# Altium PCB Copy of foxbms2-master.PcbDoc (part 3 of 11) (continued)
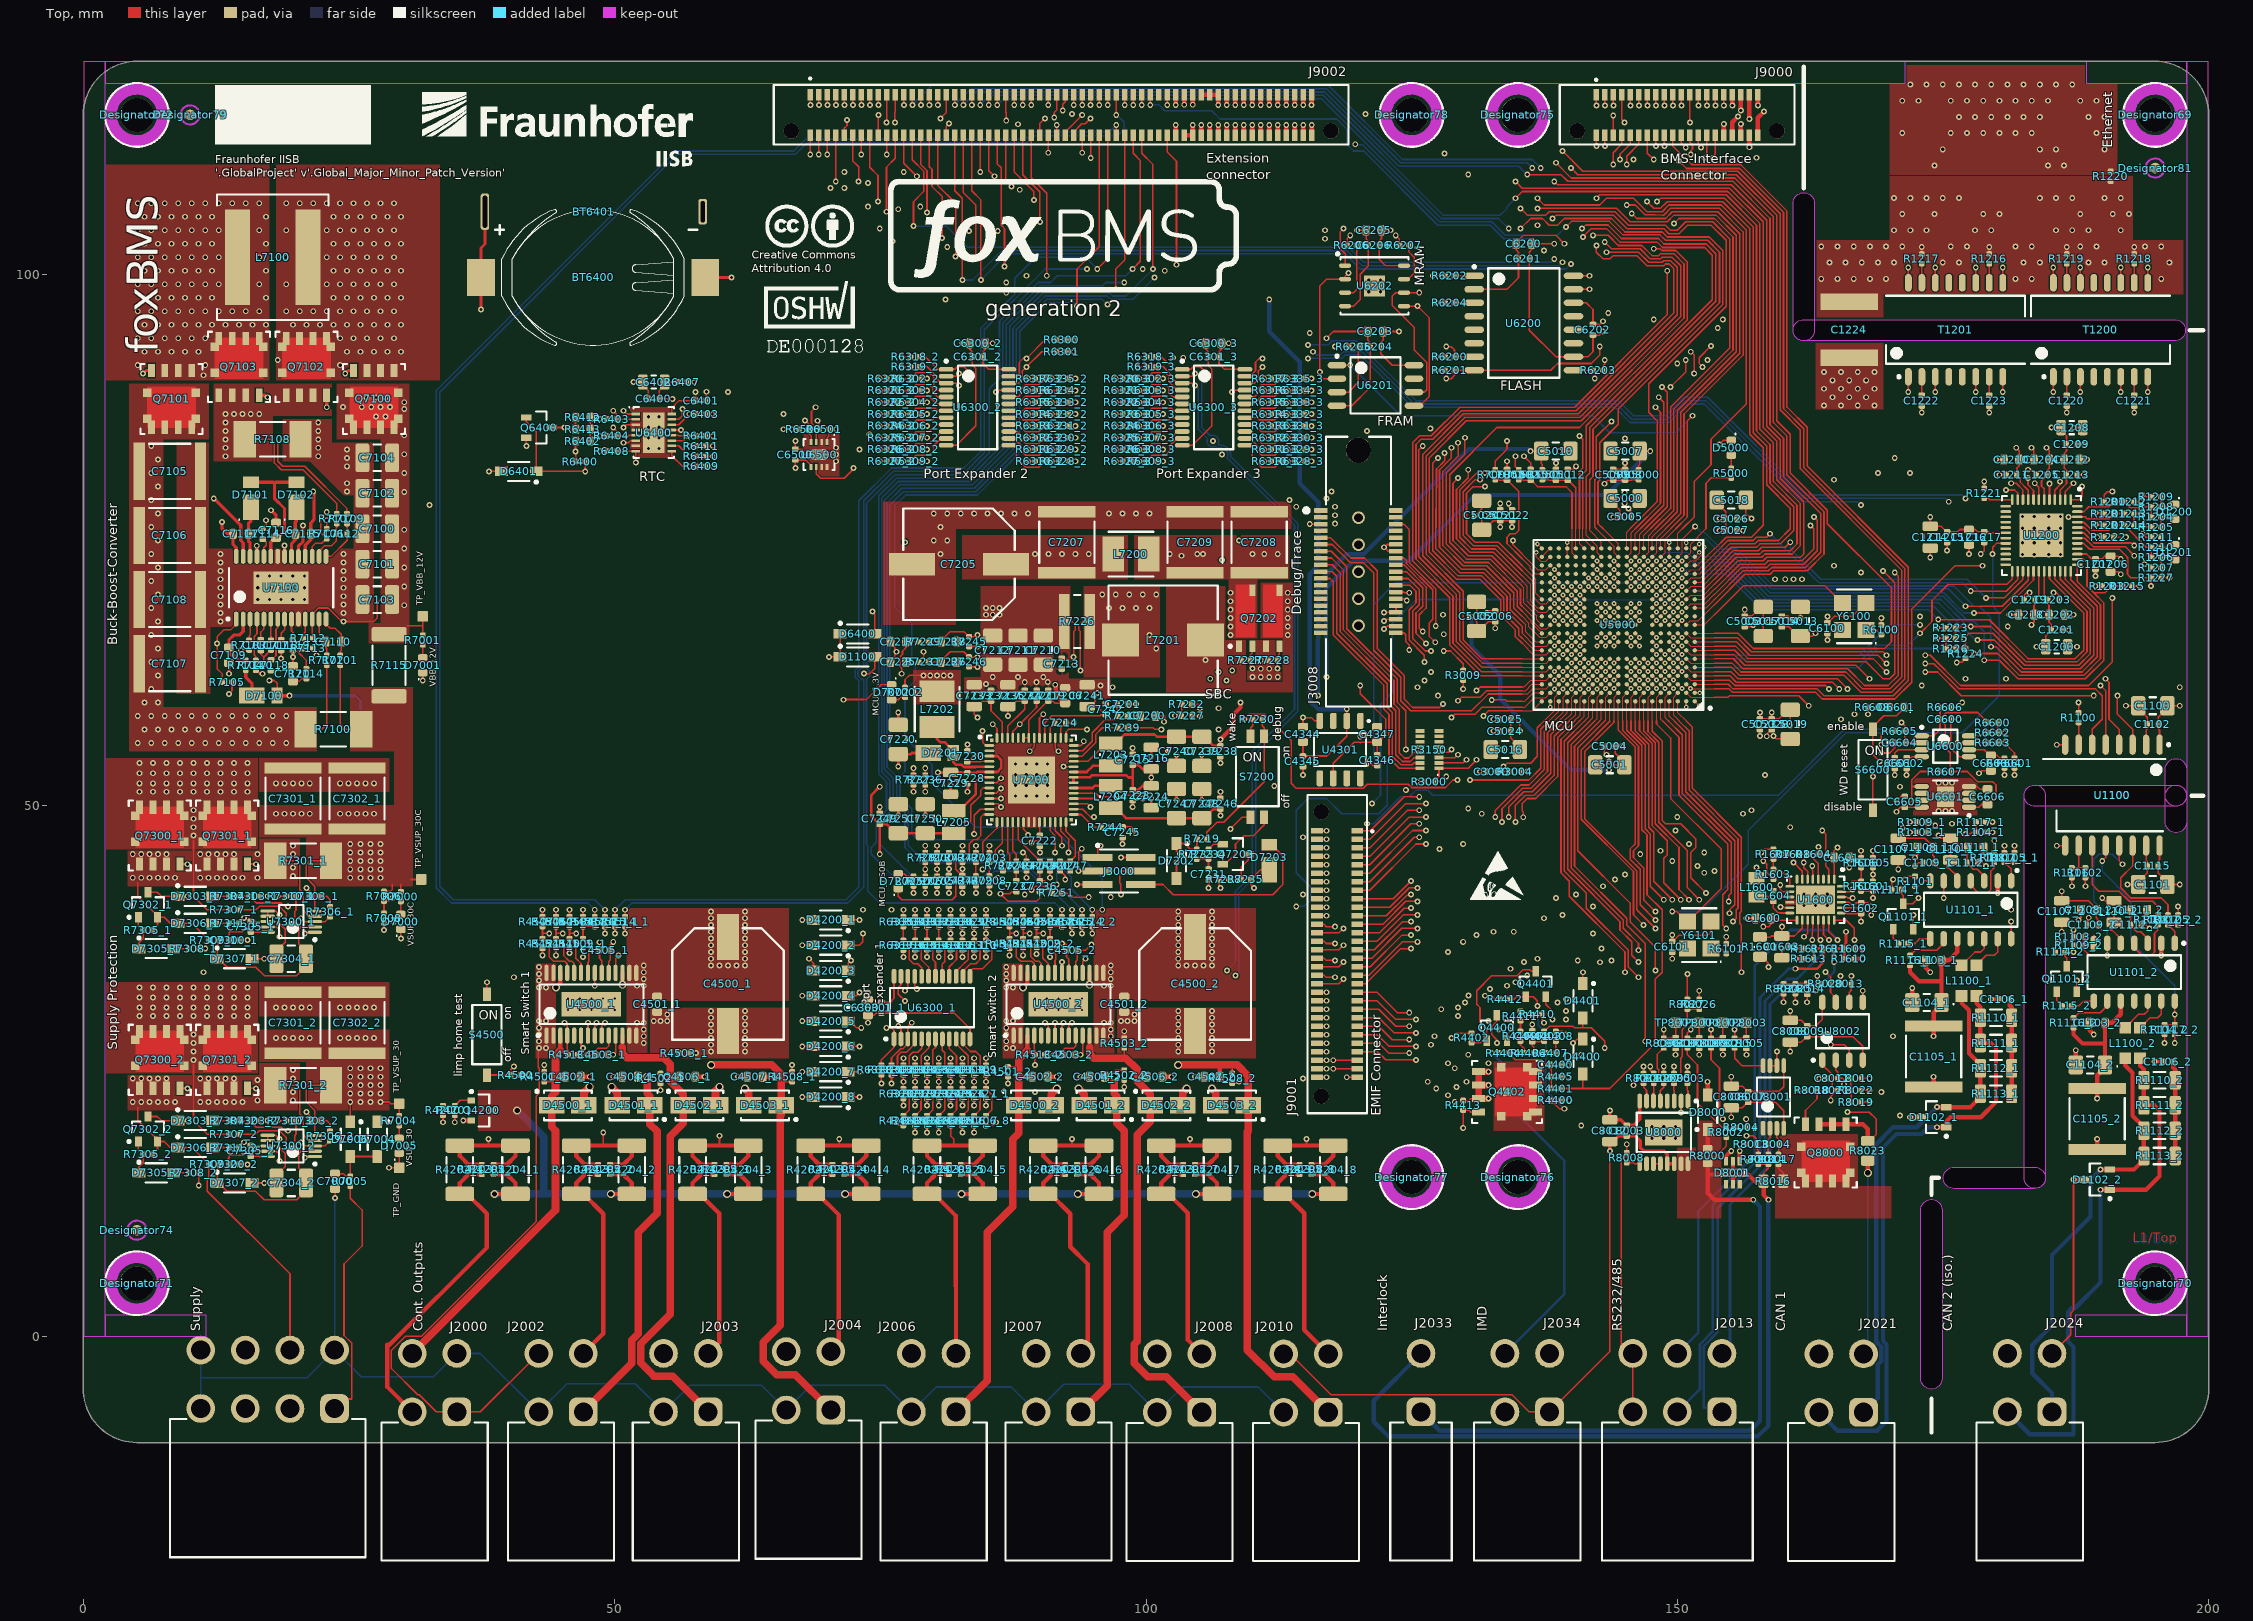
[diagram p0: Top view]
## Footprints (in the part's own frame and the unit in brackets; to place one, negate y for a bottom-side part, rotate by r counter-clockwise, add the part's x,y. Pads: shape width x height; smd on the part's side, far side on the other; paste and mask are expansions set on the pad) (continued)
  round 1.45 hole 1.45 unplated: ""(-13.4,-1.5) ""(13.4,-1.5)
  silkscreen extent -14.99,-2.8 14.99,3.4, body extent -15,-2.8 15,2.8, height 12.9
SAMTEC_ERM8-060-09.0-L-DV-K [mm] "Samtec 0.8mm Edge Rate Robust Highspeed-Terminal"
  rect 0.5x1.1 smd: 1(-23.6,1.9) 2(-23.6,-1.9) 3(-22.8,1.9) 4(-22.8,-1.9) 5(-22,1.9) 6(-22,-1.9) 7(-21.2,1.9) 8(-21.2,-1.9) 9(-20.4,1.9) 10(-20.4,-1.9) 11(-19.6,1.9) 12(-19.6,-1.9) 13(-18.8,1.9) 14(-18.8,-1.9) 15(-18,1.9) 16(-18,-1.9) 17(-17.2,1.9) 18(-17.2,-1.9) 19(-16.4,1.9) 20(-16.4,-1.9) 21(-15.6,1.9) 22(-15.6,-1.9) 23(-14.8,1.9) 24(-14.8,-1.9) 25(-14,1.9) 26(-14,-1.9) 27(-13.2,1.9) 28(-13.2,-1.9) 29(-12.4,1.9) 30(-12.4,-1.9) 31(-11.6,1.9) 32(-11.6,-1.9) 33(-10.8,1.9) 34(-10.8,-1.9) 35(-10,1.9) 36(-10,-1.9) 37(-9.2,1.9) 38(-9.2,-1.9) 39(-8.4,1.9) 40(-8.4,-1.9) 41(-7.6,1.9) 42(-7.6,-1.9) 43(-6.8,1.9) 44(-6.8,-1.9) 45(-6,1.9) 46(-6,-1.9) 47(-5.2,1.9) 48(-5.2,-1.9) 49(-4.4,1.9) 50(-4.4,-1.9) 51(-3.6,1.9) 52(-3.6,-1.9) 53(-2.8,1.9) 54(-2.8,-1.9) 55(-2,1.9) 56(-2,-1.9) 57(-1.2,1.9) 58(-1.2,-1.9) 59(-0.4,1.9) 60(-0.4,-1.9) 61(0.4,1.9) 62(0.4,-1.9) 63(1.2,1.9) 64(1.2,-1.9) 65(2,1.9) 66(2,-1.9) 67(2.8,1.9) 68(2.8,-1.9) 69(3.6,1.9) 70(3.6,-1.9) 71(4.4,1.9) 72(4.4,-1.9) 73(5.2,1.9) 74(5.2,-1.9) 75(6,1.9) 76(6,-1.9) 77(6.8,1.9) 78(6.8,-1.9) 79(7.6,1.9) 80(7.6,-1.9) 81(8.4,1.9) 82(8.4,-1.9) 83(9.2,1.9) 84(9.2,-1.9) 85(10,1.9) 86(10,-1.9) 87(10.8,1.9) 88(10.8,-1.9) 89(11.6,1.9) 90(11.6,-1.9) 91(12.4,1.9) 92(12.4,-1.9) 93(13.2,1.9) 94(13.2,-1.9) 95(14,1.9) 96(14,-1.9) 97(14.8,1.9) 98(14.8,-1.9) 99(15.6,1.9) 100(15.6,-1.9) 101(16.4,1.9) 102(16.4,-1.9) 103(17.2,1.9) 104(17.2,-1.9) 105(18,1.9) 106(18,-1.9) 107(18.8,1.9) 108(18.8,-1.9) 109(19.6,1.9) 110(19.6,-1.9) 111(20.4,1.9) 112(20.4,-1.9) 113(21.2,1.9) 114(21.2,-1.9) 115(22,1.9) 116(22,-1.9) 117(22.8,1.9) 118(22.8,-1.9) 119(23.6,1.9) 120(23.6,-1.9)
  round 1.45 hole 1.45 unplated: ""(-25.4,-1.5) ""(25.4,-1.5)
  silkscreen extent -27.05,-2.8 27.05,3.53, body extent -27,-2.8 27,2.8, height 12.9
SAMTEC_FTSH-103-01-L-DV [mm] "Samtec FTSH Board-To-Board Connector, 6pin, 1.27mm"
  rect 2.8x0.7 smd: 1(-2.035,1.27) 2(2.035,1.27) 3(-2.035,0) 4(2.035,0) 5(-2.035,-1.27) 6(2.035,-1.27)
  silkscreen extent -2.16,-2.03 1.78,2.54, body extent -2.92,-1.9 2.92,1.91, height 5.98
SHT3X [mm] "SON, 8-Leads, Body 2,50x2,50mm, Pitch 0,50mm, Thermal Pad 1,80x1,09mm, IPC Medium Density"
  rect 0.55x0.25 smd: 1(-1.17,0.75) 2(-1.17,0.25) 3(-1.17,-0.25) 4(-1.17,-0.75) 5(1.17,-0.75) 6(1.17,-0.25) 7(1.17,0.25) 8(1.17,0.75)
  oct 1x1.7 smd: 9(0,0)
  Top region: 0,-0.85 0.5,-0.85 0.5,0.85 0,0.85
  Top region: -0.5,-0.85 0,-0.85 0,0 -0.5,0
  silkscreen extent -1.9,-1.45 1.45,1.5, body extent -1.25,-1.25 1.25,1.25, height 0.9
SiT8924xx-3x [mm] "DFN, 4-Leads, Body 3,20x5,00mm, Pitch 2,39mm, IPC Medium Density"
  rect 1.5x1.6 smd: 1(-1.27,-1.1) 2(1.27,-1.1) 3(1.27,1.1) 4(-1.27,1.1)
  silkscreen extent -2.57,-2.07 2.53,1.63, body extent -2.52,-1.63 2.53,1.63, height 0.75
SM91074ALE [mm] "SOIC, 16-Leads, Body 12,80x6,90mm, Pitch 1,27mm, IPC Medium Density"
  oval 1.65x0.65 smd: 1(-4.425,4.445) 2(-4.425,3.175) 3(-4.425,1.905) 4(-4.425,0.635) 5(-4.425,-0.635) 6(-4.425,-1.905) 7(-4.425,-3.175) 8(-4.425,-4.445) 9(4.425,-4.445) 10(4.425,-3.175) 11(4.425,-1.905) 12(4.425,-0.635) 13(4.425,0.635) 14(4.425,1.905) 15(4.425,3.175) 16(4.425,4.445)
  silkscreen extent -4.55,-6.55 3.2,6.55, body extent -4.75,-6.55 4.75,6.55, height 5.9
SMTU_1225-1-LF [mm] "Renata SMTU 1225-1-LF"
  rect 2.6x3.5 smd: +(-10.55,0) -(10.55,0)
  silkscreen extent -9.2,-6.4 9.8,6.4, body extent -11.5,-6.4 11.5,6.4, height 4.8
SOD-123_CASE-425-04-ISSUE-G [mm] "SOD-123 CASE 425-04 ISSUE G"
  rect 1.22x0.91 smd: 1(-1.635,0) 2(1.635,0)
  silkscreen extent -1.76,-0.9 1,1.13, body extent -1.86,-0.9 1.86,0.9, height 1.35
SOIC127P600X175-8N [mm] "SOIC, 8-Leads, Body 4,90x3,90mm, Pitch 1,27mm, IPC Medium Density"
  rrect50% 1.5x0.6 smd: 1(-2.7,1.905) 2(-2.7,0.635) 3(-2.7,-0.635) 4(-2.7,-1.905) 5(2.7,-1.905) 6(2.7,-0.635) 7(2.7,0.635) 8(2.7,1.905)
  silkscreen extent -2.8,-2.45 1.55,2.8, body extent -3,-2.45 3,2.45, height 1.75
SOT95P237X110-3N [mm] "SOT23, 3-Leads, Body 2,92x2,37mm, Pitch 0,95mm, IPC Medium Density"
  rect 1x0.6 smd: D(1.2,0) G(-1.2,0.95) S(-1.2,-0.95)
  silkscreen extent -0.3,-1.5 0.7,1.5, body extent -1.32,-1.52 1.32,1.52, height 1.1
SOT95P237X112-3N [mm] "SOT23, 3-Leads, Body 2,92x2,37mm, Pitch 0,95mm, IPC Medium Density"
  rect 0.724x0.559 smd: D(0.984,0) G(-0.984,0.95) S(-0.984,-0.95)
  silkscreen extent -1.11,-1.5 0.7,1.9, body extent -1.32,-1.52 1.32,1.52, height 1.12
ST_PowerFLAT_5x6_WF_type_C#1 [mm] "SOTFL, 6-Leads, Body 5,20x6,40mm, Pitch 1,27mm, IPC Medium Density"
  rect 0.8x0.8 smd: D(-2.3,1.89) D(-2.3,-0.56) D(0,0) D(2.3,1.89) D(2.3,-0.56)
  rect 0.65x1.25 smd: D(-1.905,2.675) D(-0.635,2.675) D(0.635,2.675) D(1.905,2.675) G(1.905,-2.675) S(-1.905,-2.675) S(-0.635,-2.675) S(0.635,-2.675)
  Top region: -2.3,-1.15 2.3,-1.15 2.3,2.75 -2.3,2.75
  silkscreen extent -2.92,-3.3 2.92,3.3, body extent -2.7,-3.2 2.7,3.2, height 1
ST_PowerFLAT_5x6_WF_type_C#2 [mm] "SOTFL, 6-Leads, Body 5,20x6,40mm, Pitch 1,27mm, IPC Medium Density"
  rect 0.8x0.8 smd: D(-2.3,1.89) D(-2.3,-0.56) D(2.3,1.89) D(2.3,-0.56)
  rect 0.65x1.25 smd: D(-1.905,2.675) D(-0.635,2.675) D(0.635,2.675) D(1.905,2.675) G(1.905,-2.675) S(-1.905,-2.675) S(-0.635,-2.675) S(0.635,-2.675)
  Top region: -2.3,-1.15 2.3,-1.15 2.3,2.75 -2.3,2.75
  silkscreen extent -2.92,-3.3 2.92,3.3, body extent -2.7,-3.2 2.7,3.2, height 1
TDK_TFM252012 [mm] "Chip Inductor, 2-Leads, Body 2,50x2,00mm, IPC Medium Density"
  rect 1.29x2.22 smd: 1(-1.055,0) 2(1.055,0)
  silkscreen extent -0.05,-1.01 0.05,1.01, body extent -1.35,-1.1 1.35,1.1, height 1.2
TE_2-5767004-2 [mm] "Board to Board & Mezzanine Connectors 38P RECEPTACLE"
  rrect10% 0.43x1.27 smd: 1(5.76,3.53) 2(5.76,-3.53) 3(5.12,3.53) 4(5.12,-3.53) 5(4.48,3.53) 6(4.48,-3.53) 7(3.84,3.53) 8(3.84,-3.53) 9(3.2,3.53) 10(3.2,-3.53) 11(2.56,3.53) 12(2.56,-3.53) 13(1.92,3.53) 14(1.92,-3.53) 15(1.28,3.53) 16(1.28,-3.53) 17(0.64,3.53) 18(0.64,-3.53) 19(0,3.53) 20(0,-3.53) 21(-0.64,3.53) 22(-0.64,-3.53) 23(-1.28,3.53) 24(-1.28,-3.53) 25(-1.92,3.53) 26(-1.92,-3.53) 27(-2.56,3.53) 28(-2.56,-3.53) 29(-3.2,3.53) 30(-3.2,-3.53) 31(-3.84,3.53) 32(-3.84,-3.53) 33(-4.48,3.53) 34(-4.48,-3.53) 35(-5.12,3.53) 36(-5.12,-3.53) 37(-5.76,3.53) 38(-5.76,-3.53)
  round 1.2 hole 0.81: G(-5.08,0) G(-2.54,0) G(0,0) G(2.54,0) G(5.08,0)
  round 2.39 hole 2.39 unplated: Orientation(11.43,0)
  silkscreen extent -12.7,-3.05 12.7,5.1, body extent -12.7,-4.36 12.7,4.36, height 6.1
Testpoint_S1 [mm] "Testpunkt, quardratisch 1mm"
  rrect20% 1x1 smd paste-0.5: 1(0,0)
TI_D0008A [mm] "SOIC, 8-Leads, Body 4,91x3,90mm, Pitch 1,27mm, IPC Medium Density"
  oval 1.45x0.6 smd: 1(-2.725,1.905) 2(-2.725,0.635) 3(-2.725,-0.635) 4(-2.725,-1.905) 5(2.725,-1.905) 6(2.725,-0.635) 7(2.725,0.635) 8(2.725,1.905)
  silkscreen extent -2.85,-2.5 1.6,2.88, body extent -3,-2.5 3,2.5, height 1.75
TI_D0014A-C01_SOIC-14 [mm] "SOIC, 14-Leads, Body 8,65x3,90mm, Pitch 1,27mm, IPC Medium Density"
  oval 1.45x0.6 smd: 1(-2.725,3.81) 2(-2.725,2.54) 3(-2.725,1.27) 4(-2.725,0) 5(-2.725,-1.27) 6(-2.725,-2.54) 7(-2.725,-3.81) 8(2.725,-3.81) 9(2.725,-2.54) 10(2.725,-1.27) 11(2.725,0) 12(2.725,1.27) 13(2.725,2.54) 14(2.725,3.81)
  silkscreen extent -3.83,-4.4 1.6,4.49, body extent -3,-4.4 3,4.4, height 1.75
TI_DWE0016A [mm] "SOIC, 16-Leads, Body 10,30x7,50mm, Pitch 1,27mm, IPC Medium Density"
  oval 1.9x0.6 smd: 1(-4.75,4.445) 2(-4.75,3.175) 3(-4.75,1.905) 4(-4.75,0.635) 5(-4.75,-0.635) 6(-4.75,-1.905) 7(-4.75,-3.175) 8(-4.75,-4.445) 9(4.75,-4.445) 10(4.75,-3.175) 11(4.75,-1.905) 12(4.75,-0.635) 13(4.75,0.635) 14(4.75,1.905) 15(4.75,3.175) 16(4.75,4.445)
  silkscreen extent -4.87,-5.25 3.4,5.42, body extent -5.15,-5.25 5.15,5.25, height 2.65
TI_PW0008A [mm] "TSOP, 8-Leads, Body 3,00x4,40mm, Pitch 0,65mm, IPC Medium Density"
  oval 1.4x0.45 smd: 1(-2.95,0.975) 2(-2.95,0.325) 3(-2.95,-0.325) 4(-2.95,-0.975) 5(2.95,-0.975) 6(2.95,-0.325) 7(2.95,0.325) 8(2.95,0.975)
  silkscreen extent -3.07,-1.55 1.85,1.87, body extent -3.2,-1.55 3.2,1.55, height 1.2
TI_PWP0016J [mm] "TSOP, 16-Leads, Body 5,00x4,40mm, Pitch 0,65mm, Thermal Pad 3,55x2,46mm, IPC Medium Density"
  oval 1.4x0.45 smd: 1(-2.95,2.275) 2(-2.95,1.625) 3(-2.95,0.975) 4(-2.95,0.325) 5(-2.95,-0.325) 6(-2.95,-0.975) 7(-2.95,-1.625) 8(-2.95,-2.275) 9(2.95,-2.275) 10(2.95,-1.625) 11(2.95,-0.975) 12(2.95,-0.325) 13(2.95,0.325) 14(2.95,0.975) 15(2.95,1.625) 16(2.95,2.275)
  rect 2.46x3.55 smd: 17(0,0)
  silkscreen extent -3.07,-2.55 1.85,3.17, body extent -3.2,-2.55 3.2,2.55, height 1.2
TPS7A16A-Q1 [mm] "TSOP, 8-Leads, Body 3,00x3,00mm, Pitch 0,65mm, Thermal Pad 1,92x1,60mm, IPC Medium Density"
  oval 1.35x0.5 smd: 1(-2.225,0.975) 2(-2.225,0.325) 3(-2.225,-0.325) 4(-2.225,-0.975) 5(2.225,-0.975) 6(2.225,-0.325) 7(2.225,0.325) 8(2.225,0.975)
  rect 1.6x1.92 smd: 9(0,0)
  silkscreen extent -2.35,-1.55 1.15,1.9, body extent -2.45,-1.55 2.45,1.55, height 1.1
WE_416131160801 [mm] "SMD Dip Switch, Small Compact, Raised Actuator, 1pin"
  rect 0.76x1.27 smd: 1(0,-3.81) 2(0,3.81)
  silkscreen extent -1.37,-2.79 1.37,2.79, body extent -1.22,-4.32 1.22,4.32, height 2.65
WE_416131160802 [mm] "SMD Dip Switch, Small Compact, Raised Actuator, 2pin"
  rect 0.76x1.27 smd: 1(-0.635,-3.81) 2(0.635,-3.81) 3(0.635,3.81) 4(-0.635,3.81)
  silkscreen extent -2,-2.79 2,2.79, body extent -1.85,-4.22 1.86,4.22, height 2.7

## Part data
BT6400: "SMTU 1225-1-LF, Battery Holder 1225", Manufacturer=Renata, Operating Temperature="- / -40°C - +100°C", Supplier Part Number 1=1216353, Automotive Qualified=False, ComponentLink1Description=Datasheet, ComponentLink1URL=http://www.farnell.com/datasheets/1766152.pdf, Part Name=SMTU_1225-1-LF, Part Number=SMTU_1225-1-LF, Supplier 1=Farnell
BT6401: "Coin Cell Battery 3V 1000mAH HI TEMP", Manufacturer=Panasonic, Operating Temperature="−40°C - +125°C", Supplier Part Number 1=P029-ND, Automotive Qualified=False, ComponentLink1Description=Datasheet, ComponentLink1URL=https://www.mouser.de/datasheet/2/315/panasonic-lithium-coin-hightemp-br2477a-datasheet-911159.pdf, Part Name=BR2477A/HBN, Part Number=BR2477A/HBN, Supplier 1=Digikey, Supplier 2=Mouser, Supplier Part Number 2=658-BR-2477A-HBN
C1100 C1101 C5000 C5001 C5002 C5007 C5010 C5013 C5016 C5017 C5018 C5019 C5020 C7210 C7211 C7212 C7220 C7239 C7240 C7247 C7248 C7250 C7251: library part gen_C_ceramic_22u_10V_X7R_1206, "MLCC", Capacitance=22u, Case EIA=1206, Case Metric=3216, Dielectric=X7R, Rated Voltage=10V, Supplier Part Number 1=587-4243-1-ND, Automotive Qualified=True, Part Number=gen_C_ceramic_22u_10V_X7R_1206, Supplier 1=Digikey
C1102 C1109_1 C1109_2 C1112_1 C1112_2 C1115 C1203 C1205 C1207 C1211 C1213 C1217 C1219 C1220 C1221 C1222 C1223 C1602 C3000 C4345 C4346 C4503_1 C4503_2 C4505_1 C4505_2 C5003 C5004 C5005 C5006 C5008 C5011 C5014 C5015 C5021 C5022 C5023 C5024 C5025 C5026 C5027 C5028 C6100 C6101 C6201 C6202 C6204 C6206 C6301_1 C6301_2 C6301_3 C6400 C6401 C6403 C6500 C6600 C6605 C7113 C7114 C7213 C7215 C7221 C7222 C7223 C7227 C7228 C7230 C7231 C7232 C7234 C7238 C7242 C7246 C7249 C7300_1 C7300_2 C8003 C8007 C8009: library part gen_C_ceramic_100n_50V_X7R_0402, "MLCC", Capacitance=100n, Case EIA=0402, Case Metric=1005, Dielectric=X7R, PnP Package=0402C, PnP Value=100nF/50V/X7R, Rated Voltage=50V, Supplier Part Number 1=2210822, AEC-Q Norm=AEC-Q200, Automotive Qualified=True, ECCN=EAR99, Part Number=gen_C_ceramic_100n_50V_X7R_0402, PnP equipped=x, Supplier 1=Farnell
C1103_1 C1103_2 C4501_1 C4501_2 C7000 C7109 C7111 C7115 C7206 C7218 C7226: library part gen_C_ceramic_100n_100V_X7R_0603, "MLCC", Capacitance=100n, Case EIA=0603, Case Metric=1608, Dielectric=X7R, PnP Package=0603C, Rated Voltage=100V, Supplier Part Number 1=490-13420-1-ND, Automotive Qualified=True, Part Number=gen_C_ceramic_100n_100V_X7R_0603, Supplier 1=Digikey, Supplier 2=Mouser, Supplier Part Number 2=81-GCJ188R72A104KA1D
C1104_1 C1104_2: library part gen_C_ceramic_1u_100V_X7R_1206, "MLCC", Capacitance=1u, Case EIA=1206, Case Metric=3216, Dielectric=X7R, Rated Voltage=100V, Supplier Part Number 1=1833855, Automotive Qualified=True, AVT Set=x, Part Number=gen_C_ceramic_1u_100V_X7R_1206, Supplier 1=Farnell
C1105_1 C1105_2 C7105 C7106 C7107 C7108 C7207 C7208 C7209 C7301_1 C7301_2 C7302_1 C7302_2: library part gen_C_ceramic_10u_100V_X7S_2220, "MLCC", Capacitance=10u, Case EIA=2220, Case Metric=5750, Dielectric=X7S, Rated Voltage=100V, Supplier Part Number 1=445-13152-1-ND, AEC-Q Grade="Grade 0", AEC-Q Norm=AEC-Q200, Automotive Qualified=True, ECCN=EAR99, Part Number=gen_C_ceramic_10u_100V_X7S_2220, Supplier 1=Digikey
C1106_1 C1106_2: library part gen_C_ceramic_4n7_50V_X7R_0402, "MLCC", Capacitance=4n7, Case EIA=0402, Case Metric=1005, Dielectric=X7R, PnP Package=0402C, Rated Voltage=50V, Supplier Part Number 1=490-14739-1-ND, AEC-Q Grade="Grade 1", AEC-Q Norm=AEC-Q200, Automotive Qualified=True, ECCN=EAR99, Part Number=gen_C_ceramic_4n7_50V_X7R_0402, Supplier 1=Digikey
C1107_1 C1107_2 C1110_1 C1110_2 C1200 C1208 C1214 C6402 C7216 C7224 C7229 C7233 C7235 C7241 C8006 C8008 C8012: library part gen_C_ceramic_10u_16V_X7R_0805, "MLCC", Capacitance=10u, Case EIA=0805, Case Metric=2012, Dielectric=X7S, Rated Voltage=16V, Supplier Part Number 1=445-16110-1-ND, AEC-Q Grade="Grade 1", AEC-Q Norm=AEC-Q200, Automotive Qualified=True, ECCN=EAR99, Part Number=gen_C_ceramic_10u_16V_X7R_0805, Supplier 1=Digikey
C1108_1 C1108_2 C1111_1 C1111_2 C1202 C1204 C1206 C1210 C1212 C1216 C1218 C1600 C1601 C4344 C4347 C6200 C6203 C6205 C6300_1 C6300_2 C6300_3 C6606 C7110 C7116: library part gen_C_ceramic_1u_50V_X7R_0603, "MLCC", Capacitance=1u, Case EIA=0603, Case Metric=1608, Dielectric=X7R, Operating Temperature="-55°C - +125°C", PnP Package=0603C, Rated Voltage=50V, Supplier Part Number 1=2779055, Tolerance="± 10%", Automotive Qualified=False, Part Number=gen_C_ceramic_1u_50V_X7R_0603, Supplier 1=Farnell
C1201 C1209 C1215 C5009 C5012 C7001 C7244 C7245: library part gen_C_ceramic_10n_25V_X7R_0402, "MLCC", Capacitance=10n, Case EIA=0402, Case Metric=1005, Dielectric=X7R, PnP Package=0402C, PnP Value=10nF/25V/X7R, Rated Voltage=25V, Supplier Part Number 1=2210793, Automotive Qualified=True, Part Number=gen_C_ceramic_10n_25V_X7R_0402, PnP equipped=x, Supplier 1=Farnell
C1224: library part gen_C_ceramic_1n_3000V_X7R_2220, "MLCC", Capacitance=1n, Case EIA=2220, Case Metric=5750, Dielectric=X7R, Rated Voltage=3000V, Supplier Part Number 1=399-16803-1-ND, AEC-Q Grade="Grade 0", AEC-Q Norm=AEC-Q200, Automotive Qualified=True, ECCN=EAR99, Part Number=gen_C_ceramic_1n_3000V_X7R_2220, Supplier 1=Digikey
C1603: library part gen_C_ceramic_4u7_25V_X7R_0805, "MLCC", Capacitance=4u7, Case EIA=0805, Case Metric=2012, Dielectric=X7R, Rated Voltage=25V, Supplier Part Number 1=2346968, AEC-Q Norm=AEC-Q200, Automotive Qualified=True, AVT Set=x, ECCN=EAR99, Part Number=gen_C_ceramic_4u7_25V_X7R_0805, Supplier 1=Farnell
C1604 C7305_1 C7305_2: library part gen_C_ceramic_220n_35V_X7R_0402, "MLCC", Capacitance=220n, Case EIA=0402, Case Metric=1005, Dielectric=X7R, PnP Package=0402C, Rated Voltage=35V, Supplier Part Number 1=445-173767-1-ND, AEC-Q Grade="Grade 1", AEC-Q Norm=AEC-Q200, Automotive Qualified=True, ECCN=EAR99, Part Number=gen_C_ceramic_220n_35V_X7R_0402, Supplier 1=Digikey
C4400 C4401 C7118 C7119 C7201: library part gen_C_ceramic_150p_50V_C0G_0402, "MLCC", Capacitance=150p, Case EIA=0402, Case Metric=1005, Dielectric=C0G, PnP Package=0402C, Rated Voltage=50V, Supplier Part Number 1=490-4926-1-ND, Automotive Qualified=True, Part Number=gen_C_ceramic_150p_50V_C0G_0402, Supplier 1=Digikey
C4500_1 C4500_2: library part EEE-TG1J101UP, "SMD Electrolytic Capacitor", Capacitance=100µF, Operating Temperature="-40°C to 125°C", Rated Voltage=63V, Supplier Part Number 1=PCE4086CT-ND, Tolerance=+-20%, Automotive Qualified=True, ComponentLink1Description=Datasheet, ComponentLink1URL=https://industrial.panasonic.com/cdbs/www-data/pdf/RDE0000/ABA0000C1187.pdf, Diameter=10mm, Heigth=10.5mm, Part Number=EEE-TG1J101UP, Supplier 1=Digikey
C4502_1 C4502_2 C4504_1 C4504_2 C4506_1 C4506_2 C4507_1 C4507_2: library part gen_C_ceramic_10n_100V_X7R_0603, "MLCC", Capacitance=10n, Case EIA=0603, Case Metric=1608, Dielectric=X7R, PnP Package=0603C, PnP Value=10nF/100V/X7R, Rated Voltage=100V, Supplier Part Number 1=1301715, AEC-Q Norm=AEC-Q200, Automotive Qualified=True, ECCN=EAR99, Part Number=gen_C_ceramic_10n_100V_X7R_0603, Supplier 1=Farnell, Supplier 2=Farnell, Supplier 3=Farnell, Supplier Part Number 2=2821192, Supplier Part Number 3=2210878
C6601 C7117 C7214 C7243 C7303_1 C7303_2: library part gen_C_ceramic_47n_50V_X7R_0402, "MLCC", Capacitance=47n, Case EIA=0402, Case Metric=1005, Dielectric=X7R, PnP Package=0402C, Rated Voltage=50V, Supplier Part Number 1=2210827, Automotive Qualified=True, Part Number=gen_C_ceramic_47n_50V_X7R_0402, Supplier 1=Farnell
C6602 C6604 C8000 C8001 C8002 C8004 C8005 C8010 C8011 C8013 C8014: library part gen_C_ceramic_22n_50V_X7R_0402, "MLCC", Capacitance=22n, Case EIA=0402, Case Metric=1005, Dielectric=X7R, PnP Package=0402C, Rated Voltage=50V, Supplier Part Number 1=490-4763-1-ND, AEC-Q Grade="Grade 1", AEC-Q Norm=AEC-Q200, Automotive Qualified=True, ECCN=EAR99, Part Number=gen_C_ceramic_22n_50V_X7R_0402, Supplier 1=Digikey
C6603: library part gen_C_ceramic_27p_50V_NP0_0603, "MLCC", Capacitance=27p, Case EIA=0603, Case Metric=1608, Dielectric=NP0, PnP Package=0603C, Rated Voltage=50V, Supplier Part Number 1=2219430, Automotive Qualified=True, Part Number=gen_C_ceramic_27p_50V_NP0_0603, Supplier 1=Farnell
C7100 C7101 C7102 C7103 C7104: library part gen_C_ceramic_22u_25V_X7R_1210, "MLCC", Capacitance=22u, Case EIA=1210, Case Metric=3225, Dielectric=X7R, Rated Voltage=25V, Supplier Part Number 1=445-180363-1-ND, Automotive Qualified=True, Part Number=gen_C_ceramic_22u_25V_X7R_1210, Supplier 1=Digikey
C7112: library part gen_C_ceramic_47p_50V_C0G_0402, "MLCC", Capacitance=47p, Case EIA=0402, Case Metric=1005, Dielectric=C0G, PnP Package=0402C, Rated Voltage=50V, Supplier Part Number 1=490-10670-1-ND, Automotive Qualified=True, Part Number=gen_C_ceramic_47p_50V_C0G_0402, Supplier 1=Digikey
C7120: library part gen_C_ceramic_5n6_50V_C0G_0603, "MLCC", Capacitance=5n6, Case EIA=0603, Case Metric=1608, Dielectric=C0G, PnP Package=0603C, Rated Voltage=50V, Supplier Part Number 1=2210857, Automotive Qualified=True, Part Number=gen_C_ceramic_5n6_50V_C0G_0603, Supplier 1=Farnell
C7200: library part gen_C_ceramic_8n2_50V_C0G_0603, "MLCC", Capacitance=8n2, Case EIA=0603, Case Metric=1608, Dielectric=C0G, PnP Package=0603C, Rated Voltage=50V, Supplier Part Number 1=445-8114-1-ND, Automotive Qualified=True, Part Number=gen_C_ceramic_8n2_50V_C0G_0603, Supplier 1=Digikey
C7205: library part EEE-TG2A330P, "SMD Electrolytic Capacitor", Capacitance=33µF, Operating Temperature="-40°C to 125°C", Rated Voltage=100V, Supplier Part Number 1=PCE4126CT-ND, Tolerance=+-20%, Automotive Qualified=True, ComponentLink1Description=Datasheet, ComponentLink1URL=https://industrial.panasonic.com/cdbs/www-data/pdf/RDE0000/ABA0000C1187.pdf, Diameter=10mm, Heigth=10.5mm, Part Number=EEE-TG2A330P, Supplier 1=Digikey
C7217 C7225: library part gen_C_ceramic_47n_100V_X7R_0603, "MLCC", Capacitance=47n, Case EIA=0603, Case Metric=1608, Dielectric=X7R, PnP Package=0603C, Rated Voltage=100V, Supplier Part Number 1=2478249, Automotive Qualified=True, Part Number=gen_C_ceramic_47n_100V_X7R_0603, Supplier 1=Farnell, Supplier 2=Farnell, Supplier 3=Farnell, Supplier Part Number 2=2708699, Supplier Part Number 3=2905110
C7219 C7236 C7237: library part gen_C_ceramic_1n_100V_X7R_0402, "MLCC", Capacitance=1n, Case EIA=0402, Case Metric=1005, Dielectric=X7R, PnP Package=0402C, Rated Voltage=100V, Supplier Part Number 1=490-4764-1-ND, Automotive Qualified=True, Part Number=gen_C_ceramic_1n_100V_X7R_0402, Supplier 1=Digikey
C7304_1 C7304_2: library part gen_C_ceramic_4u7_100V_X7S_1210, "MLCC", Capacitance=4u7, Case EIA=1210, Case Metric=3225, Dielectric=X7S, PnP Package=1210C, Rated Voltage=100V, Supplier Part Number 1=2211140, Automotive Qualified=True, Part Number=gen_C_ceramic_4u7_100V_X7S_1210, Supplier 1=Farnell, Supplier 2=Farnell, Supplier Part Number 2=2464634
D1100 D4400 D4401 D6400 D7004 D7006 D7303_1 D7303_2 D7305_1 D7305_2 D8000: "Diode", Breakdown Voltage=100V, Continuous Forward Current=300mA, Manufacturer="Diodes Inc.", Operating Temperature="-65°C - +150°C", PnP Package=SOD123, Supplier Part Number 1=1N4148WQ-7-FDICT-ND, Automotive Qualified=True, ComponentLink1Description=Datasheet, ComponentLink1URL=https://www.diodes.com/assets/Datasheets/ds30086.pdf, Part Name=1N4148WQ-7-F, Part Number=1N4148WQ-7-F, Supplier 1=Digikey
  D1100 D6400: Supplier 2=Farnell, Supplier 3=Mouser, Supplier Part Number 2=3127171, Supplier Part Number 3=621-1N4148WQ-7-F
D1102_1 D1102_2: "CAN ESD Protection Diode Array", Manufacturer=Littelfuse, Operating Temperature="-40°C - +125°C", Supplier Part Number 1=F6707CT-ND, Automotive Qualified=True, ComponentLink1Description=Datasheet, ComponentLink1URL=https://www.littelfuse.com/~/media/electronics/datasheets/tvs_diode_arrays/littelfuse_tvs_diode_array_sm24canb_datasheet.pdf.pdf, Part Name=SM24CANB-02HTG, Part Number=SM24CANB-02HTG, Supplier 1=Digikey
D1200 D1201 D5000 D6601 D7000 D7001 D7002 D7005 D7200: library part LED_0603_pure_green_AECQ, "TLMP1100-GS08", Breakdown Voltage=5V, Continuous Forward Current=20mA, Forward Voltage @ 20mA=2.1V, Manufacturer=Vishay, Operating Temperature="-40°C - 100°C", PnP Package=LED_0603, Supplier Part Number 1=1328306, Automotive Qualified=True, Color="pure green", ComponentLink1Description=Datasheet, ComponentLink1URL=http://www.farnell.com/datasheets/2049164.pdf, Part Number=LED_0603_pure_green_AECQ, Supplier 1=Farnell, Supplier 2=Digikey, Supplier Part Number 2=751-1176-1-ND
D4200_1 D4200_2 D4200_3 D4200_4 D4200_5 D4200_6 D4200_7 D4200_8 D6401 D7202: "Zener Diode", Breakdown Voltage=4.7V, Manufacturer="ON Semiconductor", Operating Temperature="-55°C - +150°C", PnP Package=SOD123, Supplier Part Number 1=SZMMSZ4688T1GOSCT-ND, Automotive Qualified=True, ComponentLink1Description=Datasheet, ComponentLink1URL=https://www.onsemi.com/pub/Collateral/MMSZ4678T1-D.PDF, Part Name=SZMMSZ4688T1G, Part Number=SZMMSZ4688T1G, Supplier 1=Digikey, Supplier 2=Farnell, Supplier 3=Mouser, Supplier Part Number 2=2774579, Supplier Part Number 3=863-SZMMSZ4688T1G
D4500_1 D4500_2 D4501_1 D4501_2 D4502_1 D4502_2 D4503_1 D4503_2: "TVS-Diode DO-214AC (SMA)", Breakdown Voltage=60V, Manufacturer=Bourns, Operating Temperature="-55°C - +150°C", Supplier Part Number 1=652-SMA6J60A-Q, AEC-Q Grade="Grade 0", AEC-Q Norm=AEC-Q101, Automotive Qualified=True, ComponentLink1Description=Datasheet, ComponentLink1URL=https://www.mouser.de/datasheet/2/54/sma6j_q-1919913.pdf, ECCN=EAR99, Part Name=SMA6J60A-Q, Part Number=SMA6J60A-Q, Supplier 1=Mouser
D7100 D7101 D7102 D7203: "Schottky Diode", Breakdown Voltage=100V, Continuous Forward Current=1A, Manufacturer="Diodes Inc.", Operating Temperature="−55°C - +175°C", PnP Package=POWERDI123, Supplier Part Number 1=621-DFLS1-100Q-7, Automotive Qualified=True, ComponentLink1Description=Datasheet, ComponentLink1URL=https://www.diodes.com/assets/Datasheets/ds30497.pdf, Part Name=DFLS1100Q-7, Part Number=DFLS1100Q-7, Supplier 1=Mouser, Supplier 2=Digikey, Supplier 3=Farnell, Supplier Part Number 2=DFLS1100Q-7DICT-ND, Supplier Part Number 3=3127293
D7201: "Schottky Diode", Breakdown Voltage=30V, Continuous Forward Current=1A, Manufacturer="Diodes Inc.", Operating Temperature="−40°C - +125°C", Supplier Part Number 1=DFLS130LQ-7DICT-ND, Automotive Qualified=True, ComponentLink1Description=Datasheet, ComponentLink1URL=https://www.diodes.com/assets/Datasheets/DFLS130LQ.pdf, Part Name=DFLS130LQ-7, Part Number=DFLS130LQ-7, Supplier 1=Digikey
D7306_1 D7306_2: "Zener Diode", Breakdown Voltage=8.2V, Manufacturer="ON Semiconductor", Operating Temperature="-55°C - +150°C", PnP Package=SOD123, Supplier Part Number 1=SZMMSZ5237BT1GOSCT-ND, Automotive Qualified=True, ComponentLink1Description=Datasheet, ComponentLink1URL=https://www.onsemi.com/pub/Collateral/MMSZ4678T1-D.PDF, Part Name=SZMMSZ5237BT1G, Part Number=SZMMSZ5237BT1G, Supplier 1=Digikey, Supplier 2=Mouser, Supplier Part Number 2=863-SZMMSZ5237BT1G
D7307_1 D7307_2: "Zener Diode", Breakdown Voltage=47V, Manufacturer="ON Semiconductor", Operating Temperature="-55°C - +150°C", PnP Package=SOD123, Supplier Part Number 1=SZMMSZ5261BT1GOSCT-ND, Automotive Qualified=True, ComponentLink1Description=Datasheet, ComponentLink1URL=https://www.mouser.de/datasheet/2/308/MMSZ5221BT1-D-85810.pdf, Part Name=SZMMSZ5261BT1G, Part Number=SZMMSZ5261BT1G, Supplier 1=Digikey, Supplier 2=Mouser, Supplier Part Number 2=863-SZMMSZ5261BT1G
D8001: "TVS diode array", Breakdown Voltage=70V, Manufacturer="ON Semiconductor", Operating Temperature="-55°C - +150°C", Supplier Part Number 1=863-SZNUP2301MW6T1G, AEC-Q Grade="Grade 0", AEC-Q Norm=AEC-Q101, Automotive Qualified=True, ComponentLink1Description=Datasheet, ComponentLink1URL=https://www.mouser.de/datasheet/2/308/1/NUP2301MW6T1_D-2319422.pdf, ECCN=EAR99, Part Name=SZNUP2301MW6T1G, Part Number=SZNUP2301MW6T1G, Supplier 1=Mouser
FB5000 FB5001 FB5002: library part gen_Ferrite_600R_0402, "Ferrite Bead", Manufacturer=TDK, Operating Temperature="-55°C - +125°C", Saturation Current=200mA, Supplier Part Number 1=445-172776-1-ND, Automotive Qualified=True, Inductance=600Ω, Part Number=gen_Ferrite_600R_0402, Supplier 1=Digikey, Supplier 2=Mouser, Supplier Part Number 2=810-MMZ1005B601CTD25
J2000 J2002 J2003 J2004 J2006 J2007 J2008 J2010 J2021 J2024 J2034: library part CMP-1502-00518-2, Color=White, Contact Resistance=10mΩ, Current Rating=8A, Flammability Rating="UL94 V-0", Insulation Resistance=1GΩ, Max Operating Temperature=105°C, Min Operating Temperature=-40°C, Operating Supply Voltage=600V, Connector Type="Male Pin, Socket", Contact Gender=Male, Contact Material=Copper, Contact Plating=Tin, Fastening Type=Ramp, Gender=Male, Height=12.8mm, Housing Material=Nylon, Insulation=Insulated, Lead Pitch=4.2mm, Length=9.6mm, Mount="Through Hole", NexarPartId=8917584, Number of Contacts=4, Number of Pins=4, Number of Positions=4, Number of Rows=2, Pitch=4.2mm, REACH SVHC=Unknown, RoHS=Compliant, Row Spacing=5.5118mm, Termination="Through Hole", Voltage Rating=600V, Width=9.6mm
J2009: library part CMP-1502-00520-2, Color=White, Contact Resistance=10mΩ, Current Rating=7A, Flammability Rating="UL94 V-0", Insulation Resistance=1GΩ, Max Operating Temperature=105°C, Min Operating Temperature=-40°C, Operating Supply Voltage=600V, Connector Type="Male Pin, Socket", Contact Gender=Male, Contact Material=Copper, Contact Plating=Tin, Fastening Type=Ramp, Gender=Male, Height=12.8mm, Housing Material=Nylon, Lead Length=3.6mm, Lead Pitch=4.2mm, Length=18mm, Mount="Through Hole", NexarPartId=8917586, Number of Contacts=8, Number of Pins=8, Number of Positions=8, Number of Rows=2, Pitch=4.2mm, REACH SVHC=Unknown, RoHS=Compliant, Row Spacing=5.5118mm, Termination="Through Hole", Voltage Rating=600V, Width=18mm
J2013: library part CMP-1502-00519-2, Color=White, Contact Resistance=10mΩ, Current Rating=8A, Flammability Rating="UL94 V-0", Insulation Resistance=1GΩ, Max Operating Temperature=105°C, Min Operating Temperature=-40°C, Operating Supply Voltage=600V, Connector Type="Male Pin, Socket", Contact Gender=Male, Contact Material=Copper, Contact Plating=Tin, Fastening Type=Ramp, Gender=Male, Height=12.8mm, Housing Material=Nylon, Insulation=Insulated, Lead Pitch=4.2mm, Length=13.8mm, Mount="Through Hole", NexarPartId=8917585, Number of Contacts=6, Number of Pins=6, Number of Positions=6, Number of Rows=2, Pitch=4.2mm, REACH SVHC=Unknown, RoHS=Compliant, Row Spacing=5.5118mm, Termination="Through Hole", Voltage Rating=600V, Width=13.8mm
J2033: library part CMP-1502-00517-2, Color=White, Contact Resistance=10mΩ, Current Rating=9A, Flammability Rating="UL94 V-0", Insulation Resistance=1GΩ, Max Operating Temperature=105°C, Min Operating Temperature=-40°C, Operating Supply Voltage=600V, Connector Type="Male Pin, Socket", Contact Gender=Male, Contact Material=Copper, Contact Plating=Tin, Fastening Type=Ramp, Gender=Male, Height=12.8mm, Housing Material=Nylon, Insulation=Insulated, Lead Pitch=4.2mm, Length=5.4mm, Mount="Through Hole", NexarPartId=8917583, Number of Contacts=2, Number of Pins=2, Number of Positions=2, Number of Rows=2, Pitch=4.2mm, REACH SVHC=Unknown, RoHS=Compliant, Row Spacing=5.5118mm, Termination="Through Hole", Voltage Rating=600V, Width=5.4mm
J3000: "Board-To-Board Connector, 6pin, 1.27mm", Manufacturer=Samtec, Operating Temperature="-55°C - +125°C", Part Name=FTSH-103-01-L-DV, Rated Current=3.4A, Supplier Part Number 1=2415840, Automotive Qualified=False, Circuits=6, ComponentLink1Description=Datasheet, ComponentLink1URL=http://www.farnell.com/datasheets/1992056.pdf, Part Number=samtec_FTSH-103-01-L-DV, Supplier 1=Farnell, Supplier 2=Mouser, Supplier 3=Digikey, Supplier Part Number 2=200-FTSH10301LDVTR, Supplier Part Number 3=SAM13920CT-ND
J3008: "Connector, SMT, 38 POS, MICTOR", Manufacturer=TE, Operating Temperature="−55 °C - +125 °C", Rated Current=11.5A, Rated Voltage="30V AC", Supplier Part Number 1=571-2-5767004-2, Automotive Qualified=False, Circuits=38, ComponentLink1Description=Datasheet, ComponentLink1URL=https://www.te.com/deu-de/product-2-5767004-2.datasheet.pdf, ECCN=EAR99, Part Name=TE_2-5767004-2, Part Number=TE_2-5767004-2, Supplier 1=Mouser, Supplier 2=Farnell, Supplier 3=Digikey, Supplier Part Number 2=1076633, Supplier Part Number 3=A32308-ND
J9000: library part SAMTEC_ERM8-020-09.0-L-DV-K-TR, "Edge Rate rugged high-speed connector strips", Manufacturer=Samtec, Operating Temperature="-55°C - +125°C", Supplier Part Number 1=3551150, Automotive Qualified=False, Circuits=40, ComponentLink1Description=Datasheet, ComponentLink1URL=https://suddendocs.samtec.com/catalog_english/erm8.pdf, ECCN=EAR99, Part Name=ERM8-020-09.0-L-DV-K-TR, Part Number=SAMTEC_ERM8-020-09.0-L-DV-K-TR, Supplier 1=Farnell, Supplier 2=Samtec, Supplier 3="RS Components", Supplier Part Number 2=ERM8-020-09.0-L-DV-K-TR, Supplier Part Number 3=1798876, System=Connector
J9001: library part SAMTEC_ERM8-030-09.0-L-DV-K-TR, "Edge Rate rugged high-speed connector strips", Manufacturer=Samtec, Operating Temperature="-55°C - +125°C", Supplier Part Number 1=SAM13766CT-ND, Automotive Qualified=False, Circuits=60, ComponentLink1Description=Datasheet, ComponentLink1URL=https://suddendocs.samtec.com/catalog_english/erm8.pdf, ECCN=EAR99, Part Name=ERM8-030-09.0-L-DV-K-TR, Part Number=SAMTEC_ERM8-030-09.0-L-DV-K-TR, Supplier 1=Digikey, Supplier 2=Mouser, Supplier Part Number 2=200-ERM8030090LDVKTR
J9002: library part SAMTEC_ERM8-060-09.0-L-DV-K-TR, "Edge Rate rugged high-speed connector strips", Manufacturer=Samtec, Operating Temperature="-55°C - +125°C", Supplier Part Number 1=SAM13147CT-ND, Automotive Qualified=False, Circuits=120, ComponentLink1Description=Datasheet, ComponentLink1URL=https://suddendocs.samtec.com/catalog_english/erm8.pdf, ECCN=EAR99, Part Name=ERM8-060-09.0-L-DV-K-TR, Part Number=SAMTEC_ERM8-060-09.0-L-DV-K-TR, Supplier 1=Digikey, Supplier 2=Mouser, Supplier Part Number 2=200-ERM8060090LDVKTR
L1100_1 L1100_2: library part DLW32SH101XF2L, "Common Mode Choke", Manufacturer=Murata, Operating Temperature="–40°C - +125°C", Rated Current=0.115A, Supplier Part Number 1=3639227, AEC-Q Norm=AEC-Q200, Automotive Qualified=True, ComponentLink1Description=Datasheet, ComponentLink1URL=https://4donline.ihs.com/images/VipMasterIC/IC/MURE/MURE-S-A0010901825/MURE-S-A0010900222-1.pdf?hkey=6D3A4C79FDBF58556ACFDE234799DDF0, Inductance=100uH, Part Number=DLW32SH101XF2L, Supplier 1=Farnell
L1600: library part LQM21DH100M70L, "Power Inductor", Manufacturer=Murata, Operating Temperature="-55°C - +150°C", Rated Current=300mA, Saturation Current=250mA, Supplier Part Number 1=490-18463-1-ND, Automotive Qualified=True, ComponentLink1Description=Datasheet, ComponentLink1URL=https://psearch.en.murata.com/inductor/product/LQM21DH100M70_.pdf, Inductance=10µH, Part Number=LQM21DH100M70L, Supplier 1=Digikey, Supplier 2=Mouser, Supplier Part Number 2=81-LQM21DH100M70L
L7100: library part XAL1010-222MEB, "Power Inductor", Manufacturer=Coilcraft, Operating Temperature="-40°C - +125°C", Rated Current=24.5A, Saturation Current=34A, Supplier Part Number 1=994-XAL1010-222MEB, Automotive Qualified=True, ComponentLink1Description=Datasheet, ComponentLink1URL=http://www.coilcraft.com/pdfs/xal1010.pdf, Inductance=2.2µH, Part Number=XAL1010-222MEB, Supplier 1=Mouser
L7200: library part ASPIAIG-S4035-1R0M-T, "Power Inductor", Manufacturer="Abracon LLC", Operating Temperature="–40°C - +125°C", Rated Current=4.5A, Saturation Current=6.9A, Supplier Part Number 1=535-14223-1-ND, Automotive Qualified=True, ComponentLink1Description=Datasheet, ComponentLink1URL=https://abracon.com/Magnetics/power/ASPIAIG-S4035.pdf, Inductance=1µH, Part Number=ASPIAIG-S4035-1R0M-T, Supplier 1=Digikey, Supplier 2=Farnell, Supplier Part Number 2=2848347
L7201: library part PA4342.682NLT, "Power Inductor", Manufacturer=Pulse, Operating Temperature="-40°C - +125°C", Rated Current=8.5A, Saturation Current=13.5A, Supplier Part Number 1=553-3442-1-ND, Automotive Qualified=True, ComponentLink1Description=Datasheet, ComponentLink1URL=https://www.mouser.de/datasheet/2/336/P769-1526786.pdf, Inductance=6.8µH, Part Number=PA4342.682NLT, Supplier 1=Digikey, Supplier 2=Mouser, Supplier Part Number 2=673-PA4342.682NLT
L7202: library part ASPIAIG-S4035-4R7M-T, "Power Inductor", Manufacturer="Abracon LLC", Operating Temperature="–40°C - +125°C", Rated Current=2.45A, Saturation Current=3.2A, Supplier Part Number 1=535-14227-1-ND, Automotive Qualified=True, ComponentLink1Description=Datasheet, ComponentLink1URL=https://abracon.com/Magnetics/power/ASPIAIG-S4035.pdf, Inductance=4.7µH, Part Number=ASPIAIG-S4035-4R7M-T, Supplier 1=Digikey
L7203 L7204 L7205: library part TFM252012ALMA1R0MTAA, "Power Inductor", Manufacturer=TDK, Operating Temperature="–55°C - +150°C", Rated Current=3.7A, Saturation Current=4.2A, Supplier Part Number 1=445-175183-1-ND, Automotive Qualified=True, ComponentLink1Description=Datasheet, ComponentLink1URL=https://product.tdk.com/info/en/catalog/datasheets/inductor_automotive_power_tfm252012alma_en.pdf, Inductance=1µH, Part Number=TFM252012ALMA1R0MTAA, Supplier 1=Digikey
Q1101_1 Q1101_2 Q4400: "MOSFET-Transistor, p-Kanal, 0.27 A, 100 V, 4.2 ohm", Manufacturer=Diodes, Maximum Continous Drain Current (25°C)=0.27A, Maximum Drain-Source Voltage=100V, Operating Temperature="-55°C - +150°C", Part Name=PMOS, Supplier Part Number 1=3127354, Automotive Qualified=True, ComponentLink1Description=Datasheet, ComponentLink1URL=https://www.diodes.com/assets/Datasheets/DMP10H4D2S.pdf, Part Number=DMP10H4D2S-7, R_DS(on)=4.2, Supplier 1=Farnell, Supplier 2=Digikey, Supplier 3=Mouser, Supplier Part Number 2=DMP10H4D2S-7DICT-ND, Supplier Part Number 3=621-DMP10H4D2S-7, Total Gate Charge=1.8nC
Q4200: "MOSFET, N CHANNEL, 20V, 0.045OHM, 2.6A, TO-236", Manufacturer=Vishay, Maximum Continous Drain Current (25°C)=2.9A, Maximum Drain-Source Voltage=20V, Operating Temperature="-55°C - +150°C", Part Name=NMOS, Supplier Part Number 1=2524651, Automotive Qualified=False, ComponentLink1Description=Datasheet, ComponentLink1URL=http://www.farnell.com/datasheets/2046484.pdf?_ga=2.69037521.1386499687.1551691751-810718100.1550587845, Part Number=SI2302CDS-T1-GE, R_DS(on)=60m, Supplier 1=Farnell, Supplier 2=Mouser, Supplier 3=Digikey, Supplier Part Number 2=781-SI2302CDS-E3, Supplier Part Number 3=SI2302CDS-T1-E3CT-ND, Total Gate Charge=3.5nC
Q4401: "MOSFET-Transistor, n-Kanal, 1.6 A, 100 V, 0.250 ohm", Manufacturer=Diodes, Maximum Continous Drain Current (25°C)=1.6A, Maximum Drain-Source Voltage=100V, Operating Temperature="-55°C - +150°C", Part Name=NMOS, Supplier Part Number 1=DMN10H220L-7DICT-ND, Automotive Qualified=True, ComponentLink1Description=Datasheet, ComponentLink1URL=https://www.diodes.com/assets/Datasheets/DMN10H220L.pdf, Part Number=DMN10H220L-7, R_DS(on)=250m, Supplier 1=Digikey, Supplier 2=Farnell, Supplier 3=Mouser, Supplier Part Number 2=3127326, Supplier Part Number 3=621-DMN10H220L-7, Total Gate Charge=4.1nC
Q4402 Q7100 Q7101 Q7102 Q7103 Q7300_1 Q7300_2 Q7301_1 Q7301_2 Q8000: "N-Channel MOSFET, 100 V, 107 A, 5 mOhm", Manufacturer=STMicroelectronics, Maximum Continous Drain Current (25°C)=107A, Maximum Drain-Source Voltage=100V, Operating Temperature="-55°C - +175°C", Part Name=NMOS, Supplier Part Number 1=511-STL115N10F7AG, AEC-Q Grade="Grade 0", AEC-Q Norm=AEC-Q101, Automotive Qualified=True, ComponentLink1Description=Datasheet, ComponentLink1URL=https://www.mouser.de/datasheet/2/389/dm00333356-1798814.pdf, ECCN=EAR99, Part Number=STL115N10F7AG, R_DS(on)=5m, Supplier 1=Mouser, Supplier 2=Digikey, Supplier Part Number 2=497-17622-1-ND, Total Gate Charge=72.5nC
Q6400: "MOSFETs N-Ch 100V 190mA SOT-23-3", Manufacturer=Infineon, Maximum Continous Drain Current (25°C)=190mA, Maximum Drain-Source Voltage=100V, Operating Temperature="-55°C - +150°C", Part Name=NMOS, Supplier Part Number 1=726-SP000870646, AEC-Q Norm=AEC-Q101, Automotive Qualified=True, ComponentLink1Description=Datasheet, ComponentLink1URL=https://www.mouser.de/ProductDetail/Infineon-Technologies/SP000870646?qs=glduVv6OWv73sRcXXys7ZQ%3D%3D, ECCN=EAR99, Part Number=SP000870646, R_DS(on)=6, Supplier 1=Mouser, Total Gate Charge=600pC
Q7202: "Dual N-channel 60 V, 12.5 mΩ logic level MOSFET", Manufacturer=Nexperia, Maximum Continous Drain Current (25°C)=40A, Maximum Drain-Source Voltage=60V, Operating Temperature="-55°C - +170°C", Supplier Part Number 1=1727-2467-1-ND, AEC-Q Grade="Grade 0", AEC-Q Norm=AEC-Q101, Automotive Qualified=True, ComponentLink1Description=Datasheet, ComponentLink1URL=https://4donline.ihs.com/images/VipMasterIC/IC/NEXP/NEXP-S-A0003105620/NEXP-S-A0003105797-1.pdf?hkey=6D3A4C79FDBF58556ACFDE234799DDF0, ECCN=EAR99, Part Name=BUK9K13-60EX, Part Number=BUK9K13-60EX, R_DS(on)=12.5m, Supplier 1=Digikey, Supplier 2=Mouser, Supplier 3=Farnell, Supplier Part Number 2=771-BUK9K13-60EX, Supplier Part Number 3=3439704, Total Gate Charge=7.9nC
Q7203: "MOSFET-Transistor, p-channel, -1.7 A, -60 V", Manufacturer=Vishay, Maximum Continous Drain Current (25°C)=1.7A, Maximum Drain-Source Voltage=60V, Operating Temperature="-55°C - +175°C", Part Name=PMOS, Supplier Part Number 1=SQ2309ES-T1_GE3CT-ND, Automotive Qualified=True, ComponentLink1Description=Datasheet, ComponentLink1URL=http://www.vishay.com/docs/67024/sq2309es.pdf, Part Number=SQ2309ES-T1_GE3, R_DS(on)=336m, Supplier 1=Digikey, Supplier 2=Farnell, Supplier 3=Mouser, Supplier Part Number 2=2617108, Supplier Part Number 3=781-SQ2309ES-T1_GE3, Total Gate Charge=8.5nC
Q7302_1 Q7302_2: "Single NPN Transistor", Manufacturer="Diodes Inc.", Maximum Continous Drain Current (25°C)=2A, Maximum Drain-Source Voltage=40V, Operating Temperature="-55°C - +150°C", Part Name=NPN, Supplier Part Number 1=ZXTN4240F-7DICT-ND, Automotive Qualified=True, ComponentLink1Description=Datasheet, ComponentLink1URL=https://www.diodes.com/assets/Datasheets/ZXTN4240F.pdf, Part Number=ZXTN4240F-7, Supplier 1=Digikey
R1100 R1101 R1102 R1106 R1107_1 R1107_2 R1108_1 R1108_2 R1208 R1209 R1210 R1211 R4408 R4410 R4514_1 R4514_2 R4515_1 R4515_2 R4516_1 R4516_2 R4517_1 R4517_2 R6602 R6603 R6606 R6607 R7219 R7247 R7248 R7249 R7310_1 R7310_2 R8026 R8027: library part gen_R_0R_0402, "SMD Resistor 0R 0402", Case EIA=0402, Case Metric=1005, Maximum Working Voltage=50V, Operating Temperature="-55°C - +155°C", PnP Package=0402R, Power=0.063W, Supplier Part Number 1=1469661, AEC-Q Norm=AEC-Q200, Automotive Qualified=True, ECCN=EAR99, Part Number=gen_R_0R_0402, PnP equipped=x, PnP Value=0R, Resistance=0R, Series=Jumper, Supplier 1=Farnell, Supplier 2=Farnell, Supplier Part Number 2=2059190
R1103_1 R1103_2 R1104_1 R1104_2 R1105_1 R1105_2 R1109_1 R1109_2 R1114_1 R1114_2 R1116_1 R1116_2 R1117_1 R1117_2 R1223 R1601 R1602 R1603 R1604 R1605 R1606 R1607 R1608 R4201 R4401 R4402 R4403 R4412 R4413 R4500 R4504_1 R4504_2 R4505_1 R4505_2 R4506_1 R4506_2 R4507_1 R4507_2 R4509_1 R4509_2 R4510_1 R4510_2 R4511_1 R4511_2 R4512_1 R4512_2 R6100 R6101 R6302_1 R6302_2 R6302_3 R6303_1 R6303_2 R6303_3 R6304_1 R6304_2 R6304_3 R6305_1 R6305_2 R6305_3 R6306_1 R6306_2 R6306_3 R6307_1 R6307_2 R6307_3 R6308_1 R6308_2 R6308_3 R6309_1 R6309_2 R6309_3 R6310_1 R6310_2 R6310_3 R6311_1 R6311_2 R6311_3 R6312_1 R6312_2 R6312_3 R6313_1 R6313_2 R6313_3 R6314_1 R6314_2 R6314_3 R6315_1 R6315_2 R6315_3 R6316_1 R6316_2 R6316_3 R6317_1 R6317_2 R6317_3 R6318_1 R6318_2 R6318_3 R6319_1 R6319_2 R6319_3 R6320_1 R6320_2 R6320_3 R6321_1 R6321_2 R6321_3 R6322_1 R6322_2 R6322_3 R6323_1 R6323_2 R6323_3 R6324_1 R6324_2 R6324_3 R6325_1 R6325_2 R6325_3 R6326_1 R6326_2 R6326_3 R6327_1 R6327_2 R6327_3 R6328_1 R6328_2 R6328_3 R6329_1 R6329_2 R6329_3 R6330_1 R6330_2 R6330_3 R6331_1 R6331_2 R6331_3 R6332_1 R6332_2 R6332_3 R6333_1 R6333_2 R6333_3 R6334_1 R6334_2 R6334_3 R6335_1 R6335_2 R6335_3 R6400 R6401 R6600 R6601 R6605 R7005 R7006 R7105 R7106 R7200 R7201 R7203 R7204 R7230 R7239 R7245 R7246 R7308_1 R7308_2 R7309_1 R7309_2 R8001 R8003 R8005 R8006 R8007 R8008 R8009 R8015 R8020 R8024: library part gen_R_10k_0402, "SMD Resistor 10k 0402", Case EIA=0402, Case Metric=1005, Maximum Working Voltage=50V, Operating Temperature="-55°C - +155°C", PnP Package=0402R, Power=0.063W, Supplier Part Number 1=2059239, Tolerance=1%, AEC-Q Norm=AEC-Q200, Automotive Qualified=True, ECCN=EAR99, Part Number=gen_R_10k_0402, PnP equipped=x, PnP Value=10k, Resistance=10k, Series="E24, E96", Supplier 1=Farnell
R1110_1 R1110_2 R1111_1 R1111_2 R1112_1 R1112_2 R1113_1 R1113_2: library part gen_R_120R_1206, "SMD Resistor 120R 1206", Case EIA=1206, Case Metric=3216, Maximum Working Voltage=200V, Operating Temperature="-55°C - +155°C", PnP Package=1206R, Power=0.3W, Supplier Part Number 1=A129799CT-ND, Tolerance=1%, AEC-Q Grade="Grade 0", AEC-Q Norm=AEC-Q200, Automotive Qualified=True, ECCN=EAR99, Part Number=gen_R_120R_1206, PnP Value=120R, Resistance=120R, Series=E24, Supplier 1=Digikey
R1115_1 R1115_2 R4200 R4400 R6407 R7101 R7102 R7107 R7109 R7202: library part gen_R_100R_0402, "SMD Resistor 100R 0402", Case EIA=0402, Case Metric=1005, Maximum Working Voltage=50V, Operating Temperature="-55°C - +155°C", PnP Package=0402R, Power=0.063W, Supplier Part Number 1=2302528, Tolerance=1%, AEC-Q Norm=AEC-Q200, Automotive Qualified=True, ECCN=EAR99, Part Number=gen_R_100R_0402, PnP equipped=x, PnP Value=100R, Resistance=100R, Series="E24, E96", Supplier 1=Farnell